# Altium PCB PROC054D_MMWCAS_RF_EVM_ASCII.PcbDoc (part 1 of 13) (continued)
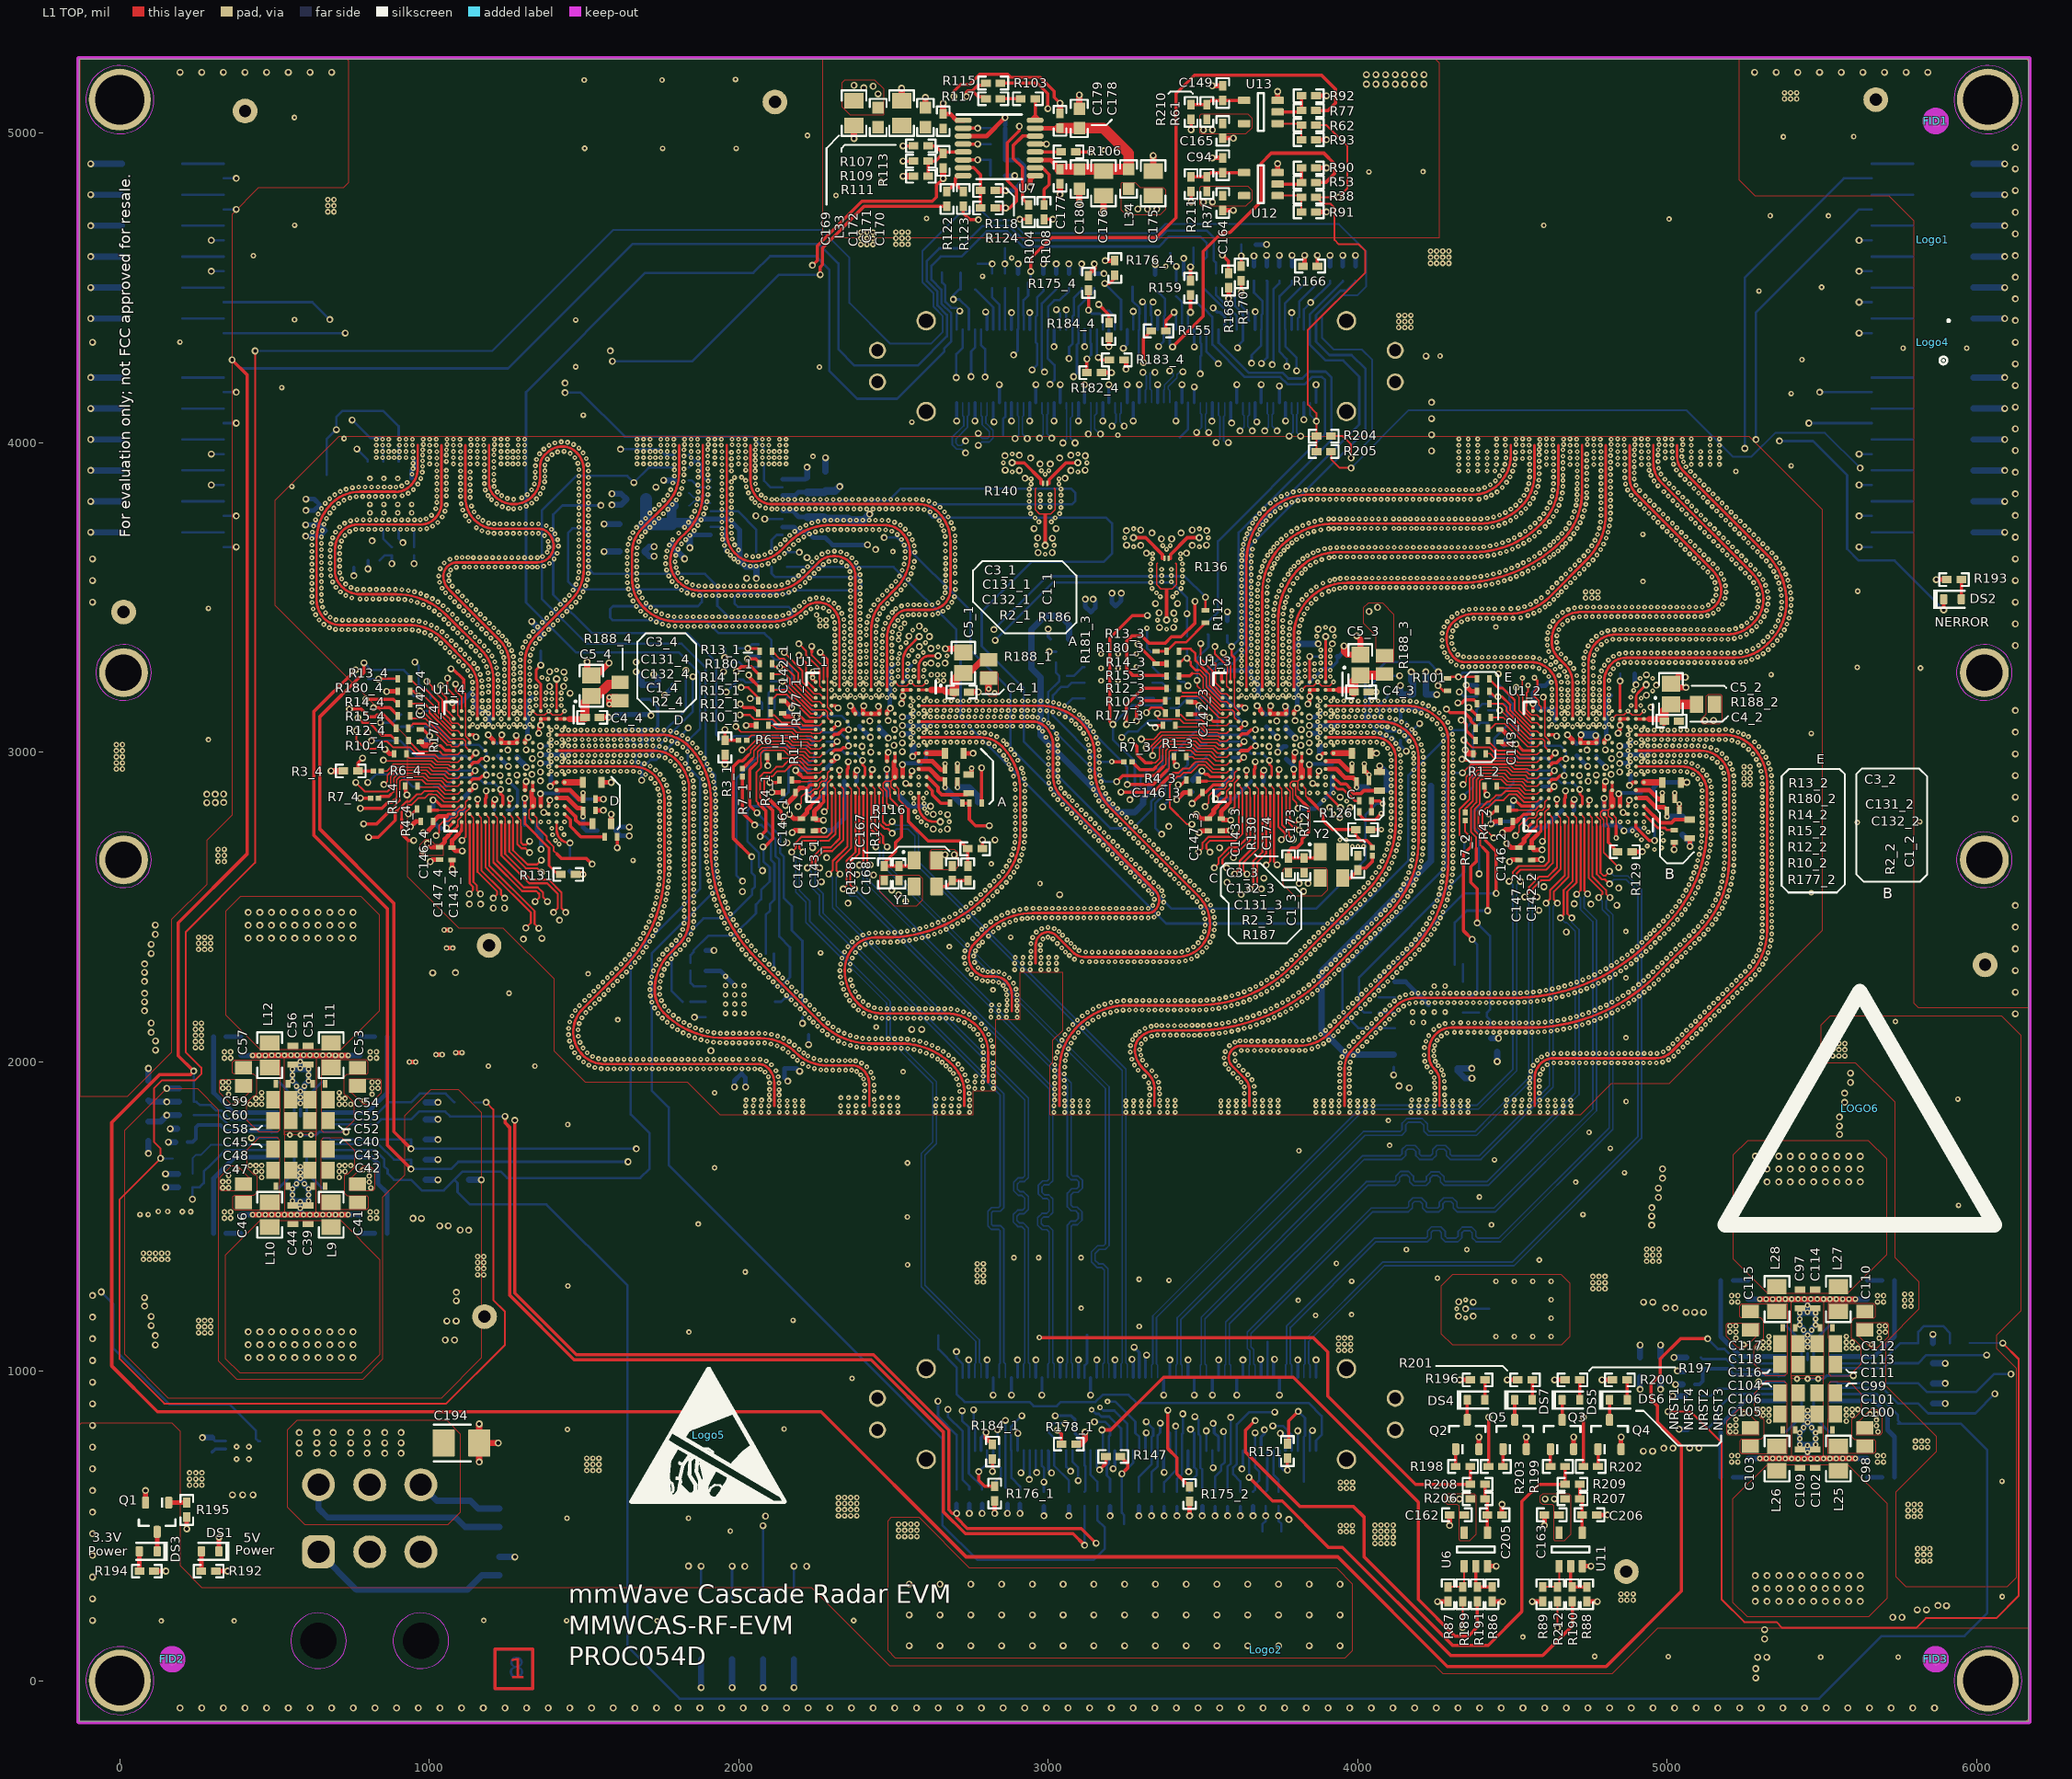
[diagram p0: L1 TOP view]
## Design rules (kind name [scope] priority, off if disabled: settings) (continued)
RoomDefinition Room1 [InComponentClass('12XX_4')] p1: confinementstyle=ConfineIn formatcopy=TRUE lockcomponents=FALSE outline 2033.68,3387.07 2640.06,3387.07 2640.06,2735.55 2033.68,2735.55
RoomDefinition Room4 [InComponentClass('Designator')] p2: confinementstyle=ConfineIn formatcopy=TRUE lockcomponents=FALSE outline 852.08,3249.2 1434.07,3249.2 1496.84,3185.76 1496.84,2685.62 852.08,2685.62
RoomDefinition A9 [All] p3: confinementstyle=ConfineOut formatcopy=TRUE lockcomponents=FALSE outline 4145.74,1260.01 4410.11,1260.01 4410.11,1146.81 4145.74,1146.81
RoomDefinition A8 [All] p4: confinementstyle=ConfineOut formatcopy=TRUE lockcomponents=FALSE outline 2598.57,2846.96 2753.75,2846.96 2753.75,2714.54 2598.57,2714.54
RoomDefinition A7 [All] p5: confinementstyle=ConfineOut formatcopy=TRUE lockcomponents=FALSE outline 3895.25,2868.57 4029.93,2868.57 4029.93,2722.5 3895.25,2722.5
RoomDefinition A6 [All] p6: confinementstyle=ConfineOut formatcopy=TRUE lockcomponents=FALSE outline 4876.32,3337.04 5017.79,3337.04 5017.79,3164.57 4876.32,3164.57
RoomDefinition A5 [All] p7: confinementstyle=ConfineOut formatcopy=TRUE lockcomponents=FALSE outline 3835.39,3542.94 3936.51,3542.94 3936.51,3330.51 3835.39,3330.51
RoomDefinition A4 [InComponentClass('Components Class 2')] p8: confinementstyle=ConfineIn formatcopy=TRUE lockcomponents=FALSE outline 3175.56,3808.47 3477.72,3808.47 3591.98,3694.2 3591.98,3647.65 3434.55,3490.22 3434.55,3331.1 3393.93,3290.48 3368.53,3290.48 3338.06,3320.95 3338.06,3457.22 3160.32,3634.96 3160.32,3793.76 3175.58,3809.02
RoomDefinition A3 [InComponentClass('Components Class 1')] p9: confinementstyle=ConfineIn formatcopy=TRUE lockcomponents=FALSE outline 2770.93,3947.31 2798.41,3974.79 3136.7,3974.79 3149.17,3962.32 3149.17,3890.53 3050.37,3791.74 3050.37,3616.18 2992.8,3558.61 2941.62,3558.61 2933.1,3567.14 2933.1,3720.66 2770.71,3883.04 2770.71,3945.66
RoomDefinition A2 [All] p10: confinementstyle=ConfineOut formatcopy=TRUE lockcomponents=FALSE outline 2542.67,3455.84 2644.92,3455.84 2747.67,3353.09 2747.67,3279.13 2680.16,3211.63 2599.75,3211.63 2496.01,3315.37 2496.01,3409.93 2542.15,3456.07
RoomDefinition A1 [All] p11: confinementstyle=ConfineOut formatcopy=TRUE lockcomponents=FALSE outline 1337.09,3340.68 1479.92,3340.68 1479.92,3170.39 1337.09,3170.39
RoomDefinition GND_Rule4 [All] p12: confinementstyle=ConfineOut formatcopy=TRUE lockcomponents=FALSE outline 4866.7,2842.12 4932.23,2842.12 4932.23,2750.95 4866.7,2750.95
RoomDefinition GND_Rule3 [All] p13: confinementstyle=ConfineOut formatcopy=TRUE lockcomponents=FALSE outline 3863.74,2936.22 3929.27,2936.22 3929.27,2845.04 3863.74,2845.04
RoomDefinition GND_Rule1 [All] p14: confinementstyle=ConfineOut formatcopy=TRUE lockcomponents=FALSE outline 1378.19,2850.59 1443.72,2850.59 1443.72,2759.41 1378.19,2759.41
RoomDefinition GND_Rule2 [All] p15: confinementstyle=ConfineOut formatcopy=TRUE lockcomponents=FALSE outline 2551.17,2940.69 2616.7,2940.69 2616.7,2849.52 2551.17,2849.52
RoomDefinition Room6 [InComponentClass('Components Class 2')] p16: confinementstyle=ConfineIn formatcopy=TRUE lockcomponents=FALSE outline 3223.97,3753.59 3539.32,3753.59 3539.32,3383.84 3223.97,3383.84
RoomDefinition Room5 [InComponentClass('Components Class 1')] p17: confinementstyle=ConfineIn formatcopy=TRUE lockcomponents=FALSE outline 2834.35,3978.35 3143.28,3978.35 3143.28,3621.24 2834.35,3621.24
RoomDefinition Room2 [InComponentClass('Designator')] p18: confinementstyle=ConfineIn formatcopy=TRUE lockcomponents=FALSE outline 4337.7,3208.98 4954.79,3208.98 4954.79,2675.33 4337.7,2675.33
RoomDefinition Room3 [InComponentClass('40MHZ_CLOCK')] p19: confinementstyle=ConfineIn formatcopy=TRUE lockcomponents=FALSE outline 3321.42,3391.65 3927.1,3391.65 3927.1,2786.33 3321.42,2786.33
RoutingCorners [All] p0: scope1count=1 scope1_0_kind=Board scope1_0_value=Board scope2count=1 scope2_0_kind=Board scope2_0_value=Board commentlength=0 cornerstyle=45-Degree minsetback=100 maxsetback=100
RoutingLayers [All] p0: scope1count=1 scope1_0_kind=Board scope1_0_value=Board scope2count=1 scope2_0_kind=Board scope2_0_value=Board commentlength=0 top layer=Automatic mid layer 1=Automatic mid layer 2=Automatic mid layer 3=Automatic mid layer 4=Automatic mid layer 5=Automatic mid layer 6=Automatic bottom layer=Automatic
RoutingPriority [All] p0: scope1count=1 scope1_0_kind=Board scope1_0_value=Board scope2count=1 scope2_0_kind=Board scope2_0_value=Board commentlength=0
RoutingTopology [All] p0: scope1count=1 scope1_0_kind=Board scope1_0_value=Board scope2count=1 scope2_0_kind=Board scope2_0_value=Board commentlength=0 topology=Shortest
RoutingVias [All] p0: scope1count=1 scope1_0_kind=Board scope1_0_value=Board scope2count=1 scope2_0_kind=Board scope2_0_value=Board commentlength=0 holewidth=28 width=50 viastyle="Through Hole" minholewidth=5.8 minwidth=15 maxholewidth=28 maxwidth=50
RoutingVias [All] p1: holewidth=28 width=50 viastyle="Through Hole" minholewidth=5.8 minwidth=15 maxholewidth=28 maxwidth=50
ShortCircuit [All] p0: scope1count=1 scope1_0_kind=Board scope1_0_value=Board scope2count=1 scope2_0_kind=Board scope2_0_value=Board commentlength=0 allowed=FALSE
SilkToBoardRegionClearance [All] p0 off: scope1count=1 scope1_0_kind=Board scope1_0_value=Board scope2count=1 scope2_0_kind=Board scope2_0_value=Board commentlength=130 // Protel DXP Scope 1 Expression Was: Not ((IsComment or IsDesignator) And (Hide <> 'False')) and not InRegion(1000,500,4000,800)
SilkToBoardRegionClearance [Not ((IsComment or IsDesignator) And (Hide <> 'False')) and not InRegion(1000,500,4000,800)] p1:
SilkToSilkClearance [All] p0: scope1count=1 scope1_0_kind=Board scope1_0_value=Board scope2count=1 scope2_0_kind=Board scope2_0_value=Board commentlength=0
SilkToSilkClearance [All] p1: silktosilkclearance=3
SilkToSolderMaskClearance [All] p0 off: scope1count=1 scope1_0_kind=Board scope1_0_value=Board scope2count=1 scope2_0_kind=Board scope2_0_value=Board commentlength=44 // Protel DXP Scope 1 Expression Was: IsPad
SilkToSolderMaskClearance [IsPad] p1: minsilkscreentomaskgap=3 clearancetoexposedcopper=TRUE
SolderMaskExpansion [All] p0: scope1count=1 scope1_0_kind=Board scope1_0_value=Board scope2count=1 scope2_0_kind=Board scope2_0_value=Board commentlength=0 expansion=0
SolderMaskExpansion [All] p1: expansion=0
UnRoutedNet [All] p0: scope1count=1 scope1_0_kind=Board scope1_0_value=Board scope2count=1 scope2_0_kind=Board scope2_0_value=Board commentlength=0
UnpouredPolygon [All] p0: scope1count=1 scope1_0_kind=Board scope1_0_value=Board scope2count=1 scope2_0_kind=Board scope2_0_value=Board commentlength=0
Width [All] p0: scope1count=1 scope1_0_kind=Board scope1_0_value=Board scope2count=1 scope2_0_kind=Board scope2_0_value=Board commentlength=0 maxlimit=50 minlimit=4 preferedwidth=10
Width [All] p1: maxlimit=50 minlimit=4 preferedwidth=10
23 further rules are at their usual default settings.

## Classes and differential pairs
channel class PROC054D_AWR_Pull_Resistors: AWR_1 AWR_2 AWR_3 AWR_4
channel class PROC054D_AWR_Power_Decoupling: AWR_1 AWR_2 AWR_3 AWR_4
channel class PROC054D_AWR_Interfaces: AWR_1 AWR_2 AWR_3 AWR_4
net class PMIC_CLKOUT: AWR_1_PMIC_CLKOUT AWR_2_PMIC_CLKOUT AWR_3_PMIC_CLKOUT AWR_4_PMIC_CLKOUT
net class "GND SENSE": AWR_1_OSC_CLKOUT AWR_1_OSC_CLKOUT_CONN AWR_2_OSC_CLKOUT AWR_3_OSC_CLKOUT AWR_3_OSC_CLKOUT_CONN AWR_4_OSC_CLKOUT BUF_CLKOUT2_RS BUF_CLKOUT3 BUF_CLKOUT3_RS BUF_CLKOUT4_RS EXT_40M_BUF_AWR_1_RS
net class FMCW: AWR_1_FMCW_CLKOUT AWR_1_FMCW_SYNCOUT AWR_3_FMCW_CLKOUT
net class 20GHz: AWR_2_FMCW_CLKOUT AWR_2_FMCW_SYNCOUT AWR_3_FMCW_CLKOUT AWR_3_FMCW_SYNCOUT AWR_4_FMCW_CLKOUT AWR_4_FMCW_SYNCOUT
net class TX: AWR_TX1_1 AWR_TX1_2 AWR_TX1_3 AWR_TX1_4 AWR_TX2_1 AWR_TX2_2 AWR_TX2_3 AWR_TX2_4 AWR_TX3_1 AWR_TX3_2 AWR_TX3_3 AWR_TX3_4
net class RX: AWR_RX1_1 AWR_RX1_2 AWR_RX1_3 AWR_RX1_4 AWR_RX2_1 AWR_RX2_2 AWR_RX2_3 AWR_RX2_4 AWR_RX3_1 AWR_RX3_2 AWR_RX3_3 AWR_RX3_4 AWR_RX4_1 AWR_RX4_2 AWR_RX4_3 AWR_RX4_4
net class Non-imp: AWR_1_1V0_RF1_FILT AWR_1_1V0_RF2_FILT AWR_1_1V2_FILT AWR_1_1V8_FILT AWR_1_SCL AWR_1_SDA AWR_1V4_APLL_1 AWR_1V4_APLL_2 AWR_1V4_APLL_3 AWR_1V4_APLL_4 AWR_2_1V0_RF1_FILT AWR_2_1V0_RF2_FILT AWR_2_1V2_FILT AWR_2_1V8_FILT AWR_2_SCL AWR_2_SDA AWR_3_1V0_RF1_FILT AWR_3_1V0_RF2_FILT AWR_3_1V2_FILT AWR_3_1V8_FILT AWR_3_SCL AWR_3_SDA AWR_4_1V0_RF1_FILT AWR_4_1V0_RF2_FILT AWR_4_1V2_FILT AWR_4_1V8_FILT AWR_4_SCL AWR_4_SDA AWR_VBGAP_1 AWR_VBGAP_2 AWR_VBGAP_3 AWR_VBGAP_4 AWR_VOUT_PA_1 AWR_VOUT_PA_2 AWR_VOUT_PA_3 AWR_VOUT_PA_4 GND LMK1_1V8 LMK1_3V3 LMK2_3V3 NetC9_1 NetC37_2 NetC38_2 NetC49_2 NetC50_2 NetC95_2 NetC96_2 NetC107_2 NetC108_2 NetDS3_2 PMIC1_3V3 PMIC1_AWR_1_1V0 PMIC1_AWR_4_1V0 PMIC1_AWR_14_1V2 PMIC1_AWR_14_1V8 PMIC1_FB_B0 PMIC1_FB_B1 PMIC1_FB_B2 PMIC1_FB_B3 PMIC1_INTN PMIC1_PGOOD PMIC1_PGOOD_RS PMIC1_SW_B0 PMIC1_SW_B1 PMIC1_SW_B2 PMIC1_SW_B3 PMIC1_VANA PMIC1_VIN_B0 PMIC1_VIN_B1 PMIC1_VIN_B2 PMIC1_VIN_B3 PMIC2_3V3 PMIC2_AWR_2_1V0 PMIC2_AWR_3_1V0 PMIC2_AWR_23_1V2 PMIC2_AWR_23_1V8 PMIC2_FB_B0 PMIC2_FB_B1 PMIC2_FB_B2 PMIC2_FB_B3 PMIC2_INTN PMIC2_PGOOD PMIC2_PGOOD_RS PMIC2_SW_B0 PMIC2_SW_B1 PMIC2_SW_B2 PMIC2_SW_B3 PMIC2_VANA PMIC2_VIN_B0 PMIC2_VIN_B1 PMIC2_VIN_B2 PMIC2_VIN_B3 QSPI_FLASH_3V3_1 QSPI_FLASH_3V3_2 QSPI_FLASH_3V3_3 QSPI_FLASH_3V3_4 SDA_RS_1 SDA_RS_2 SDA_RS_3 SDA_RS_4 SYSTEM_1V8 SYSTEM_3V3 SYSTEM_3V3_LED SYSTEM_3V3_LED_PW SYSTEM_5V0 SYSTEM_5V0_LED SYSTEM_PGOOD SYSTEM_PGOOD2_GS TMP1_3V3 TMP2_3V3
net class Impedance: 40M_BUF_IN_PRIMAWRY 40M_BUF_IN_SECONDAWRY AWR_1_BSS_LOGGER AWR_1_CSI2_CLK_N AWR_1_CSI2_CLK_P AWR_1_CSI2_TX0_N AWR_1_CSI2_TX0_P AWR_1_CSI2_TX1_N AWR_1_CSI2_TX1_P AWR_1_CSI2_TX2_N AWR_1_CSI2_TX2_P AWR_1_CSI2_TX3_N AWR_1_CSI2_TX3_P AWR_1_DIG_SYNCIN AWR_1_DIG_SYNCIN_RS AWR_1_DIG_SYNCOUT AWR_1_FMCW_CLKOUT AWR_1_FMCW_SYNCOUT AWR_1_GPIO_0 AWR_1_GPIO_1 AWR_1_GPIO_2 AWR_1_LVDS_FRCLK_N AWR_1_LVDS_FRCLK_P AWR_1_LVDS_VALID_N AWR_1_LVDS_VALID_P AWR_1_MCU_CLKOUT AWR_1_MCU_CLKOUT_CONN AWR_1_MSS_LOGGER AWR_1_NERROR_IN AWR_1_NERROR_OUT AWR_1_NRST AWR_1_NRST_HOST AWR_1_NRST_HOST_GS AWR_1_NRST_LED AWR_1_NRST_LED_PW AWR_1_NRST_RS AWR_1_OSC_CLKOUT AWR_1_OSC_CLKOUT_CONN AWR_1_PMIC_CLKOUT AWR_1_SOP0_TDO AWR_1_SOP1_SYNCOUT AWR_1_SOP2_PMICCLKOUT AWR_1_SPI_CLK1 AWR_1_SPI_CS1 AWR_1_SPI_HOST_INTR1 AWR_1_SPI_MISO1 AWR_1_SPI_MOSI1 AWR_1_TCK AWR_1_TDI AWR_1_TDO AWR_1_TMS AWR_1_UART_RX AWR_1_UART_TX AWR_1_WARM_RST AWR_1_XTAL_CLKM AWR_1_XTAL_CLKP AWR_1_XTALP_RS AWR_1V4_SYNTH_1 AWR_1V4_SYNTH_2 AWR_1V4_SYNTH_3 AWR_1V4_SYNTH_4 AWR_2_BSS_LOGGER AWR_2_CSI2_CLK_N AWR_2_CSI2_CLK_P AWR_2_CSI2_TX0_N AWR_2_CSI2_TX0_P AWR_2_CSI2_TX1_N AWR_2_CSI2_TX1_P AWR_2_CSI2_TX2_N AWR_2_CSI2_TX2_P AWR_2_CSI2_TX3_N AWR_2_CSI2_TX3_P AWR_2_DIG_SYNCIN AWR_2_DIG_SYNCIN_RS AWR_2_DIG_SYNCOUT AWR_2_FMCW_CLKOUT AWR_2_FMCW_SYNCOUT AWR_2_GPIO_0 AWR_2_GPIO_1 AWR_2_GPIO_2 AWR_2_LVDS_FRCLK_N AWR_2_LVDS_FRCLK_P AWR_2_LVDS_VALID_N AWR_2_LVDS_VALID_P AWR_2_MCU_CLKOUT AWR_2_MSS_LOGGER AWR_2_NERROR_IN AWR_2_NERROR_OUT AWR_2_NRST AWR_2_NRST_HOST AWR_2_NRST_HOST_GS AWR_2_NRST_LED AWR_2_NRST_LED_PW AWR_2_NRST_RS AWR_2_OSC_CLKOUT AWR_2_PMIC_CLKOUT AWR_2_SOP0_TDO AWR_2_SOP1_SYNCOUT AWR_2_SOP2_PMICCLKOUT AWR_2_SPI_CLK1 AWR_2_SPI_CS1 AWR_2_SPI_HOST_INTR1 AWR_2_SPI_MISO1 AWR_2_SPI_MOSI1 AWR_2_TCK AWR_2_TDI AWR_2_TDO AWR_2_TMS AWR_2_UART_RX AWR_2_UART_TX AWR_2_WARM_RST AWR_2_XTAL_CLKM AWR_2_XTAL_CLKP AWR_3_BSS_LOGGER AWR_3_CSI2_CLK_N AWR_3_CSI2_CLK_P AWR_3_CSI2_TX0_N AWR_3_CSI2_TX0_P AWR_3_CSI2_TX1_N AWR_3_CSI2_TX1_P AWR_3_CSI2_TX2_N AWR_3_CSI2_TX2_P AWR_3_CSI2_TX3_N AWR_3_CSI2_TX3_P AWR_3_DIG_SYNCIN AWR_3_DIG_SYNCIN_RS AWR_3_DIG_SYNCOUT AWR_3_FMCW_CLKOUT AWR_3_FMCW_SYNCOUT AWR_3_GPIO_0 AWR_3_GPIO_1 AWR_3_GPIO_2 AWR_3_LVDS_FRCLK_N AWR_3_LVDS_FRCLK_P AWR_3_LVDS_VALID_N AWR_3_LVDS_VALID_P AWR_3_MCU_CLKOUT AWR_3_MSS_LOGGER AWR_3_NERROR_IN AWR_3_NERROR_OUT AWR_3_NRST AWR_3_NRST_HOST AWR_3_NRST_HOST_GS AWR_3_NRST_LED AWR_3_NRST_LED_PW AWR_3_NRST_RS AWR_3_OSC_CLKOUT AWR_3_OSC_CLKOUT_CONN AWR_3_PMIC_CLKOUT AWR_3_SOP0_TDO AWR_3_SOP1_SYNCOUT AWR_3_SOP2_PMICCLKOUT AWR_3_SPI_CLK1 AWR_3_SPI_CS1 AWR_3_SPI_HOST_INTR1 AWR_3_SPI_MISO1 AWR_3_SPI_MOSI1 AWR_3_TCK AWR_3_TDI AWR_3_TDO AWR_3_TMS AWR_3_UART_RX AWR_3_UART_TX AWR_3_WARM_RST AWR_3_XTAL_CLKM AWR_3_XTAL_CLKP AWR_3_XTALP_RS AWR_4_BSS_LOGGER AWR_4_CSI2_CLK_N AWR_4_CSI2_CLK_P AWR_4_CSI2_TX0_N AWR_4_CSI2_TX0_P AWR_4_CSI2_TX1_N AWR_4_CSI2_TX1_P AWR_4_CSI2_TX2_N AWR_4_CSI2_TX2_P AWR_4_CSI2_TX3_N AWR_4_CSI2_TX3_P AWR_4_DIG_SYNCIN AWR_4_DIG_SYNCIN_RS AWR_4_DIG_SYNCOUT AWR_4_FMCW_CLKOUT AWR_4_FMCW_SYNCOUT AWR_4_GPIO_0 AWR_4_GPIO_1 AWR_4_GPIO_2 AWR_4_LVDS_FRCLK_N AWR_4_LVDS_FRCLK_P AWR_4_LVDS_VALID_N AWR_4_LVDS_VALID_P AWR_4_MCU_CLKOUT AWR_4_MSS_LOGGER AWR_4_NERROR_IN AWR_4_NERROR_OUT AWR_4_NRST AWR_4_NRST_HOST AWR_4_NRST_HOST_GS AWR_4_NRST_LED AWR_4_NRST_LED_PW AWR_4_NRST_RS AWR_4_OSC_CLKOUT AWR_4_PMIC_CLKOUT AWR_4_SOP0_TDO AWR_4_SOP1_SYNCOUT AWR_4_SOP2_PMICCLKOUT AWR_4_SPI_CLK1 AWR_4_SPI_CS1 AWR_4_SPI_HOST_INTR1 AWR_4_SPI_MISO1 AWR_4_SPI_MOSI1 AWR_4_TCK AWR_4_TDI AWR_4_TDO AWR_4_TMS AWR_4_UART_RX AWR_4_UART_TX AWR_4_WARM_RST AWR_4_XTAL_CLKM AWR_4_XTAL_CLKP AWR_CONN_TP1 AWR_CONN_TP2 AWR_CONN_TP3 AWR_CONN_TP4 AWR_RX1_1 AWR_RX1_2 AWR_RX1_3 AWR_RX1_4 AWR_RX2_1 AWR_RX2_2 AWR_RX2_3 AWR_RX2_4 AWR_RX3_1 AWR_RX3_2 AWR_RX3_3 AWR_RX3_4 AWR_RX4_1 AWR_RX4_2 AWR_RX4_3 AWR_RX4_4 AWR_TX1_1 AWR_TX1_2 AWR_TX1_3 AWR_TX1_4 AWR_TX2_1 AWR_TX2_2 AWR_TX2_3 AWR_TX2_4 AWR_TX3_1 AWR_TX3_2 AWR_TX3_3 AWR_TX3_4 BSS_LOGGER_RS_1 BSS_LOGGER_RS_2 BSS_LOGGER_RS_3 BSS_LOGGER_RS_4 BUF_CLKOUT1 BUF_CLKOUT1_RS BUF_CLKOUT2_RS BUF_CLKOUT3 BUF_CLKOUT3_RS BUF_CLKOUT4_RS CONN_MONITOR_1 CONN_MONITOR_2 DIG_SYNC_SOURCE DIG_SYNCOUT_RS_1 DIG_SYNCOUT_RS_2 DIG_SYNCOUT_RS_3 DIG_SYNCOUT_RS_4 EXT_40M_BUF_AWR_1_RS EXT_40MHZ_CLK_1V8 EXT_DIG_SYNC GPADC1_1 GPADC1_2 GPADC1_3 GPADC1_4 GPADC1_CONN_1 GPADC1_CONN_2 GPADC1_CONN_3 GPADC1_CONN_4 GPADC2_1 GPADC2_2 GPADC2_3 GPADC2_4 GPADC2_CONN_1 GPADC2_CONN_2 GPADC2_CONN_3 GPADC2_CONN_4 GPADC3_1 GPADC3_2 GPADC3_3 GPADC3_4 GPADC3_CONN_1 GPADC3_CONN_2 GPADC3_CONN_3 GPADC3_CONN_4 GPADC4_1 GPADC4_2 GPADC4_3 GPADC4_4 GPADC4_CONN_1 GPADC4_CONN_2 GPADC4_CONN_3 GPADC4_CONN_4 GPADC5_1 GPADC5_2 GPADC5_3 GPADC5_4 GPADC5_CONN_1 GPADC5_CONN_2 GPADC5_CONN_3 GPADC5_CONN_4 GPADC6_1 GPADC6_2 GPADC6_3 GPADC6_4 GPADC6_CONN_1 GPADC6_CONN_2 GPADC6_CONN_3 GPADC6_CONN_4 LMK1_CLK_EN LMK1_CLK_SEL LMK1_nCLK LMK1_OE LMK2_CLK_EN LMK2_CLK_EN_N LMK2_CLK_EN_P LMK2_CLK_SEL LMK2_OE MCU_CLKOUT_RS_1 MCU_CLKOUT_RS_2 MCU_CLKOUT_RS_3 MCU_CLKOUT_RS_4 MSS_LOGGER_RS_1 MSS_LOGGER_RS_2 MSS_LOGGER_RS_3 MSS_LOGGER_RS_4 NERROR_OUT NERROR_OUT_LED NERROR_OUT_RS_1 NERROR_OUT_RS_2 NERROR_OUT_RS_3 NERROR_OUT_RS_4 NetDS4_2 NetDS5_2 NetDS6_2 NetDS7_2 OSC_CLKOUT_RS_1 OSC_CLKOUT_RS_2 OSC_CLKOUT_RS_3 OSC_CLKOUT_RS_4 PMIC1_GPIO2 PMIC1_GPIO3 PMIC1_SCL PMIC1_SDA PMIC2_GPIO2 PMIC2_GPIO3 PMIC2_TMPSNS_SCL PMIC2_TMPSNS_SDA PMIC_BUCK_EN PMIC_BUCKEN_CONN PMIC_CLKOUT_RS_1 PMIC_CLKOUT_RS_2 PMIC_CLKOUT_RS_3 PMIC_CLKOUT_RS_4 PMIC_NRST PMIC_NRST_CONN QSPI_CLK_1 QSPI_CLK_2 QSPI_CLK_3 QSPI_CLK_4 QSPI_CLK_RS_1 QSPI_CLK_RS_2 QSPI_CLK_RS_3 QSPI_CLK_RS_4 QSPI_CS_1 QSPI_CS_2 QSPI_CS_3 QSPI_CS_4 QSPI_CS_RS_1 QSPI_CS_RS_2 QSPI_CS_RS_3 QSPI_CS_RS_4 QSPI_D0_1 QSPI_D0_2 QSPI_D0_3 QSPI_D0_4 QSPI_D0_RS_1 QSPI_D0_RS_2 QSPI_D0_RS_3 QSPI_D0_RS_4 QSPI_D1_1 QSPI_D1_2 QSPI_D1_3 QSPI_D1_4 QSPI_D1_RS_1 QSPI_D1_RS_2 QSPI_D1_RS_3 QSPI_D1_RS_4 QSPI_D2_1 QSPI_D2_2 QSPI_D2_3 QSPI_D2_4 QSPI_D2_RS_1 QSPI_D2_RS_2 QSPI_D2_RS_3 QSPI_D2_RS_4 QSPI_D3_1 QSPI_D3_2 QSPI_D3_3 QSPI_D3_4 QSPI_D3_RS_1 QSPI_D3_RS_2 QSPI_D3_RS_3 QSPI_D3_RS_4 SPI_HOST_INTR1_RS_1 SPI_HOST_INTR1_RS_2 SPI_HOST_INTR1_RS_3 SPI_HOST_INTR1_RS_4 SPI_MISO1_RS_1 SPI_MISO1_RS_2 SPI_MISO1_RS_3 SPI_MISO1_RS_4 TDO_RS_1 TDO_RS_2 TDO_RS_3 TDO_RS_4 TMP1_ADD0 TMP2_ADD0 TMP_ALERT TMPSNS_ALERT TMPSNS_SCL TMPSNS_SDA UART_TX_RS_1 UART_TX_RS_2 UART_TX_RS_3 UART_TX_RS_4
net class SYSTEM_5V: SYSTEM_5V0
net class SYSTEM_5V_INPUT: PMIC1_VANA PMIC1_VIN_B0 PMIC1_VIN_B1 PMIC1_VIN_B2 PMIC1_VIN_B3 PMIC2_VANA PMIC2_VIN_B0 PMIC2_VIN_B1 PMIC2_VIN_B2 PMIC2_VIN_B3
net class SYSTEM_3V3: LMK1_3V3 LMK2_3V3 QSPI_FLASH_3V3_1 QSPI_FLASH_3V3_2 QSPI_FLASH_3V3_3 QSPI_FLASH_3V3_4 SYSTEM_3V3 TMP1_3V3 TMP2_3V3
net class SYSTEM_1V8: LMK1_1V8 SYSTEM_1V8
net class PMIC_OUTPUT: PMIC1_FB_B0 PMIC1_FB_B1 PMIC1_FB_B2 PMIC1_FB_B3 PMIC1_SW_B0 PMIC1_SW_B1 PMIC1_SW_B2 PMIC1_SW_B3 PMIC2_FB_B0 PMIC2_FB_B1 PMIC2_FB_B2 PMIC2_FB_B3 PMIC2_SW_B0 PMIC2_SW_B1 PMIC2_SW_B2 PMIC2_SW_B3
net class PMIC_CONTROL: AWR_1_PMIC_CLKOUT AWR_3_PMIC_CLKOUT PMIC1_GPIO2 PMIC1_GPIO3 PMIC1_INTN PMIC1_PGOOD_RS PMIC1_SCL PMIC1_SDA PMIC2_GPIO2 PMIC2_GPIO3 PMIC2_INTN PMIC2_PGOOD_RS PMIC2_TMPSNS_SCL PMIC2_TMPSNS_SDA PMIC_BUCK_EN PMIC_NRST
net class AWR_QSPI: QSPI_CLK_1 QSPI_CLK_2 QSPI_CLK_3 QSPI_CLK_4 QSPI_CLK_RS_1 QSPI_CLK_RS_2 QSPI_CLK_RS_3 QSPI_CLK_RS_4 QSPI_CS_1 QSPI_CS_2 QSPI_CS_3 QSPI_CS_4 QSPI_CS_RS_1 QSPI_CS_RS_2 QSPI_CS_RS_3 QSPI_CS_RS_4 QSPI_D0_1 QSPI_D0_2 QSPI_D0_3 QSPI_D0_4 QSPI_D1_1 QSPI_D1_2 QSPI_D1_3 QSPI_D1_4 QSPI_D2_1 QSPI_D2_2 QSPI_D2_3 QSPI_D2_4 QSPI_D3_1 QSPI_D3_2 QSPI_D3_3 QSPI_D3_4
net class AWR_POWER_ANA: AWR_1V4_APLL_1 AWR_1V4_APLL_2 AWR_1V4_APLL_3 AWR_1V4_APLL_4 AWR_1V4_SYNTH_1 AWR_1V4_SYNTH_2 AWR_1V4_SYNTH_3 AWR_1V4_SYNTH_4 AWR_VBGAP_1 AWR_VBGAP_2 AWR_VBGAP_3 AWR_VBGAP_4 AWR_VOUT_PA_1 AWR_VOUT_PA_2 AWR_VOUT_PA_3 AWR_VOUT_PA_4
net class AWR_GENERAL: AWR_1_BSS_LOGGER AWR_1_GPIO_0 AWR_1_GPIO_1 AWR_1_GPIO_2 AWR_1_MSS_LOGGER AWR_1_NERROR_IN AWR_1_NERROR_OUT AWR_1_NRST AWR_1_SCL AWR_1_SDA AWR_1_SPI_CLK1 AWR_1_SPI_CS1 AWR_1_SPI_HOST_INTR1 AWR_1_SPI_MISO1 AWR_1_SPI_MOSI1 AWR_1_UART_RX AWR_1_UART_TX AWR_1_WARM_RST AWR_2_BSS_LOGGER AWR_2_GPIO_0 AWR_2_GPIO_1 AWR_2_GPIO_2 AWR_2_MSS_LOGGER AWR_2_NERROR_IN AWR_2_NERROR_OUT AWR_2_NRST AWR_2_SCL AWR_2_SDA AWR_2_SPI_CLK1 AWR_2_SPI_CS1 AWR_2_SPI_HOST_INTR1 AWR_2_SPI_MISO1 AWR_2_SPI_MOSI1 AWR_2_UART_RX AWR_2_UART_TX AWR_2_WARM_RST AWR_3_BSS_LOGGER AWR_3_GPIO_0 AWR_3_GPIO_1 AWR_3_GPIO_2 AWR_3_MSS_LOGGER AWR_3_NERROR_IN AWR_3_NERROR_OUT AWR_3_NRST AWR_3_SCL AWR_3_SDA AWR_3_SPI_CLK1 AWR_3_SPI_CS1 AWR_3_SPI_HOST_INTR1 AWR_3_SPI_MISO1 AWR_3_SPI_MOSI1 AWR_3_UART_RX AWR_3_UART_TX AWR_3_WARM_RST AWR_4_BSS_LOGGER AWR_4_GPIO_0 AWR_4_GPIO_1 AWR_4_GPIO_2 AWR_4_MSS_LOGGER AWR_4_NERROR_IN AWR_4_NERROR_OUT AWR_4_NRST AWR_4_SCL AWR_4_SDA AWR_4_SPI_CLK1 AWR_4_SPI_CS1 AWR_4_SPI_HOST_INTR1 AWR_4_SPI_MISO1 AWR_4_SPI_MOSI1 AWR_4_UART_RX AWR_4_UART_TX AWR_4_WARM_RST BSS_LOGGER_RS_1 BSS_LOGGER_RS_2 BSS_LOGGER_RS_3 BSS_LOGGER_RS_4 MSS_LOGGER_RS_1 MSS_LOGGER_RS_2 MSS_LOGGER_RS_3 MSS_LOGGER_RS_4 NERROR_OUT_RS_1 NERROR_OUT_RS_2 NERROR_OUT_RS_3 NERROR_OUT_RS_4 SDA_RS_1 SDA_RS_2 SDA_RS_3 SDA_RS_4 SPI_HOST_INTR1_RS_1 SPI_HOST_INTR1_RS_2 SPI_HOST_INTR1_RS_3 SPI_HOST_INTR1_RS_4 SPI_MISO1_RS_1 SPI_MISO1_RS_2 SPI_MISO1_RS_3 SPI_MISO1_RS_4 UART_TX_RS_1 UART_TX_RS_2 UART_TX_RS_3 UART_TX_RS_4
net class AWR_DEBUG: GPADC1_1 GPADC1_2 GPADC1_3 GPADC1_4 GPADC1_CONN_1 GPADC1_CONN_2 GPADC1_CONN_3 GPADC1_CONN_4 GPADC2_1 GPADC2_2 GPADC2_3 GPADC2_4 GPADC2_CONN_1 GPADC2_CONN_2 GPADC2_CONN_3 GPADC2_CONN_4 GPADC3_1 GPADC3_2 GPADC3_3 GPADC3_4 GPADC3_CONN_1 GPADC3_CONN_2 GPADC3_CONN_3 GPADC3_CONN_4 GPADC4_1 GPADC4_2 GPADC4_3 GPADC4_4 GPADC4_CONN_1 GPADC4_CONN_2 GPADC4_CONN_3 GPADC4_CONN_4 GPADC5_1 GPADC5_2 GPADC5_3 GPADC5_4 GPADC5_CONN_1 GPADC5_CONN_2 GPADC5_CONN_3 GPADC5_CONN_4 GPADC6_1 GPADC6_2 GPADC6_3 GPADC6_4 GPADC6_CONN_1 GPADC6_CONN_2 GPADC6_CONN_3 GPADC6_CONN_4
net class AWR_ANTENNA: AWR_RX1_1 AWR_RX1_2 AWR_RX1_3 AWR_RX1_4 AWR_RX2_1 AWR_RX2_2 AWR_RX2_3 AWR_RX2_4 AWR_RX3_1 AWR_RX3_2 AWR_RX3_3 AWR_RX3_4 AWR_RX4_1 AWR_RX4_2 AWR_RX4_3 AWR_RX4_4 AWR_TX1_1 AWR_TX1_2 AWR_TX1_3 AWR_TX1_4 AWR_TX2_1 AWR_TX2_2 AWR_TX2_3 AWR_TX2_4 AWR_TX3_1 AWR_TX3_2 AWR_TX3_3 AWR_TX3_4
net class AWR23_POWER_1V8: PMIC2_AWR_23_1V8
net class AWR23_POWER_1V2: PMIC2_AWR_23_1V2
net class AWR14_POWER_1V8: PMIC1_AWR_14_1V8
net class AWR14_POWER_1V2: PMIC1_AWR_14_1V2
net class AWR_4_POWER_RF: AWR_4_1V0_RF1_FILT AWR_4_1V0_RF2_FILT
net class AWR_3_POWER_RF: AWR_3_1V0_RF1_FILT AWR_3_1V0_RF2_FILT
net class AWR2_POWER_RF: PMIC2_AWR_2_1V0
net class AWR_2_POWER_1V0_RF: AWR_2_1V0_RF1_FILT AWR_2_1V0_RF2_FILT
net class AWR1_POWER_RF: PMIC1_AWR_1_1V0
net class AWR_SAFETY: NERROR_OUT TMPSNS_ALERT
net class AWR_3_CSI_LVDS: AWR_3_CSI2_CLK_N AWR_3_CSI2_CLK_P AWR_3_CSI2_TX0_N AWR_3_CSI2_TX0_P AWR_3_CSI2_TX1_N AWR_3_CSI2_TX1_P AWR_3_CSI2_TX2_N AWR_3_CSI2_TX2_P AWR_3_CSI2_TX3_N AWR_3_CSI2_TX3_P AWR_3_LVDS_FRCLK_N AWR_3_LVDS_FRCLK_P AWR_3_LVDS_VALID_N AWR_3_LVDS_VALID_P
net class AWR_3_SOP_RESET: AWR_3_NRST_HOST AWR_3_SOP0_TDO AWR_3_SOP1_SYNCOUT AWR_3_SOP2_PMICCLKOUT AWR_3_WARM_RST
net class AWR_2_JTAG: AWR_2_TCK AWR_2_TDI AWR_2_TDO AWR_2_TMS
net class AWR_3_GENERAL: AWR_3_BSS_LOGGER AWR_3_GPIO_0 AWR_3_GPIO_1 AWR_3_GPIO_2 AWR_3_MSS_LOGGER AWR_3_SPI_CLK1 AWR_3_SPI_CS1 AWR_3_SPI_HOST_INTR1 AWR_3_SPI_MISO1 AWR_3_SPI_MOSI1 AWR_3_UART_RX AWR_3_UART_TX
net class AWR_2_CSI_LVDS: AWR_2_CSI2_CLK_N AWR_2_CSI2_CLK_P AWR_2_CSI2_TX0_N AWR_2_CSI2_TX0_P AWR_2_CSI2_TX1_N AWR_2_CSI2_TX1_P AWR_2_CSI2_TX2_N AWR_2_CSI2_TX2_P AWR_2_CSI2_TX3_N AWR_2_CSI2_TX3_P AWR_2_LVDS_FRCLK_N AWR_2_LVDS_FRCLK_P AWR_2_LVDS_VALID_N AWR_2_LVDS_VALID_P
net class AWR_3_JTAG: AWR_3_TCK AWR_3_TDI AWR_3_TDO AWR_3_TMS
net class AWR_4_CSI_LVDS: AWR_4_CSI2_CLK_N AWR_4_CSI2_CLK_P AWR_4_CSI2_TX0_N AWR_4_CSI2_TX0_P AWR_4_CSI2_TX1_N AWR_4_CSI2_TX1_P AWR_4_CSI2_TX2_N AWR_4_CSI2_TX2_P AWR_4_CSI2_TX3_N AWR_4_CSI2_TX3_P AWR_4_LVDS_FRCLK_N AWR_4_LVDS_FRCLK_P AWR_4_LVDS_VALID_N AWR_4_LVDS_VALID_P
net class AWR_1_SOP_RESET: AWR_1_NRST_HOST AWR_1_SOP0_TDO AWR_1_SOP1_SYNCOUT AWR_1_SOP2_PMICCLKOUT AWR_1_WARM_RST
net class AWR_1_JTAG: AWR_1_TCK AWR_1_TDI AWR_1_TDO AWR_1_TMS
net class AWR_1_GENERAL: AWR_1_BSS_LOGGER AWR_1_GPIO_0 AWR_1_GPIO_1 AWR_1_GPIO_2 AWR_1_MSS_LOGGER AWR_1_SPI_CLK1 AWR_1_SPI_CS1 AWR_1_SPI_HOST_INTR1 AWR_1_SPI_MISO1 AWR_1_SPI_MOSI1 AWR_1_UART_RX AWR_1_UART_TX
net class AWR_1_CSI_LVDS: AWR_1_CSI2_CLK_N AWR_1_CSI2_CLK_P AWR_1_CSI2_TX0_N AWR_1_CSI2_TX0_P AWR_1_CSI2_TX1_N AWR_1_CSI2_TX1_P AWR_1_CSI2_TX2_N AWR_1_CSI2_TX2_P AWR_1_CSI2_TX3_N AWR_1_CSI2_TX3_P AWR_1_LVDS_FRCLK_N AWR_1_LVDS_FRCLK_P AWR_1_LVDS_VALID_N AWR_1_LVDS_VALID_P
component class SYSTEM_POWER: C94 C149 C162 C163 C164 C165 C205 C206 R37 R38 R53 R61 R62 R77 R86 R87 R88 R89 R90 R91 R92 R93 R189 R190 R191 R204 R205 R206 R207 R208 R209 R210 R211 R212 U6 U11 U12 U13
component class SYSTEM_LED_INDICATORS: DS1 DS2 DS3 DS4 DS5 DS6 DS7 Q1 Q2 Q3 Q4 Q5 R192 R193 R194 R195 R196 R197 R198 R199 R200 R201 R202 R203
component class SYSTEM_3V3_SUPPLY: C9 C202 C203 U5
component class HOST_CONNECTORS: C190 C191 C192 C193 C194 J4 J5 J6 R19 R20 R98 R99 R100 R101 R102 R112 R114 R125 R145 R146 R147 R148 R149 R150 R151 R152 R153 R154 R155 R156 R157 R158 R159 R160 R161 R162 R163 TP8 TP12 TP13 TP15 TP16 TP17 TP18 TP19 TP20 TP25 TP29 TP30 TP32 TP33
component class Header: J1_1 J1_2 J1_3 J1_4 J2
component class DIG_SYNC_LO_20GHZ: C181 C182 C183 C184 C185 C186 C187 C188 C189 L35 R132 R133 R134 R135 R136 R137 R138 R139 R140 R141 R142 R143 R144 U8
component class SYSTEM_TEST_CONN_TERMINATION: J2 J3 R79 R82 R83 R84 R85 R186 R187
component class 40MHZ_CLOCK: C167 C168 C169 C170 C171 C172 C173 C174 C175 C176 C177 C178 C179 C180 L33 L34 R103 R104 R105 R106 R107 R108 R109 R110 R111 R113 R115 R116 R117 R118 R119 R120 R121 R122 R123 R124 R126 R127 R128 R129 R130 R131 R213 R214 U7 Y1 Y2
component class AWR_4: C1_4 C2_4 C3_4 C4_4 C5_4 C6_4 C7_4 C8_4 J1_4 R1_4 R2_4 R3_4 R4_4 R5_4 R6_4 R7_4 R8_4 R9_4 R10_4 R11_4 R12_4 R13_4 R14_4 R15_4 R16_4 R17_4 R18_4 R21_4 R22_4 R23_4 R24_4 R25_4 R26_4 R27_4 R28_4 R29_4 R30_4 R31_4 R32_4 R33_4 R188_4 TP1_4 TP2_4 TP3_4 U1_4 U2_4
component class AWR_3: C1_3 C2_3 C3_3 C4_3 C5_3 C6_3 C7_3 C8_3 J1_3 R1_3 R2_3 R3_3 R4_3 R5_3 R6_3 R7_3 R8_3 R9_3 R10_3 R11_3 R12_3 R13_3 R14_3 R15_3 R16_3 R17_3 R18_3 R21_3 R22_3 R23_3 R24_3 R25_3 R26_3 R27_3 R28_3 R29_3 R30_3 R31_3 R32_3 R33_3 R188_3 TP1_3 TP2_3 TP3_3 U1_3 U2_3
component class AWR_2: C1_2 C2_2 C3_2 C4_2 C5_2 C6_2 C7_2 C8_2 J1_2 R1_2 R2_2 R3_2 R4_2 R5_2 R6_2 R7_2 R8_2 R9_2 R10_2 R11_2 R12_2 R13_2 R14_2 R15_2 R16_2 R17_2 R18_2 R21_2 R22_2 R23_2 R24_2 R25_2 R26_2 R27_2 R28_2 R29_2 R30_2 R31_2 R32_2 R33_2 R188_2 TP1_2 TP2_2 TP3_2 U1_2 U2_2
component class AWR_2_AWR_3_LP87524P: C95 C96 C97 C98 C99 C100 C101 C102 C103 C104 C105 C106 C107 C108 C109 C110 C111 C112 C113 C114 C115 C116 C117 C118 C119 C120 C121 C122 C123 C124 C125 C126 C127 L25 L26 L27 L28 L29 L30 L31 L32 R59 R60 R63 R64 R65 R66 R67 R68 R69 R70 R71 R72 R74 R75 R76 R78 R80 R81 R95 R97 TP21 TP22 TP23 TP24 TP26 TP27 TP28 TP31 U4
component class AWR_2_AWR_3_LC_Filtering: C70 C71 C72 C73 C74 C75 C76 C77 C79 C80 C82 C83 C84 C85 C87 C88 C90 C91 C92 C93 C153 C154 C155 C156 C157 C158 C159 C160 C166 C201 C204 C207 L17 L18 L19 L20 L21 L22 L23 L24
component class AWR_1: C1_1 C2_1 C3_1 C4_1 C5_1 C6_1 C7_1 C8_1 J1_1 R1_1 R2_1 R3_1 R4_1 R5_1 R6_1 R7_1 R8_1 R9_1 R10_1 R11_1 R12_1 R13_1 R14_1 R15_1 R16_1 R17_1 R18_1 R21_1 R22_1 R23_1 R24_1 R25_1 R26_1 R27_1 R28_1 R29_1 R30_1 R31_1 R32_1 R33_1 R188_1 TP1_1 TP2_1 TP3_1 U1_1 U2_1
component class AWR_1_AWR_4_LP87524P: C37 C38 C39 C40 C41 C42 C43 C44 C45 C46 C47 C48 C49 C50 C51 C52 C53 C54 C55 C56 C57 C58 C59 C60 C61 C62 C63 C64 C65 C66 C67 C68 C69 L9 L10 L11 L12 L13 L14 L15 L16 R34 R36 R39 R40 R41 R42 R43 R44 R45 R46 R47 R48 R49 R50 R51 R52 R54 R55 R56 R57 R58 R73 R94 R96 TP4 TP5 TP6 TP7 TP9 TP10 TP11 TP14 U3
component class AWR_1_AWR_4_LC_Filtering: C10 C11 C12 C13 C14 C15 C16 C17 C18 C19 C20 C21 C22 C23 C24 C25 C26 C27 C28 C29 C30 C31 C32 C33 C34 C35 C36 C78 C81 C86 C89 C150 C151 C152 C161 L1 L2 L3 L4 L5 L6 L7 L8 R35
component class AssemblyNote: ZZ1 ZZ2 ZZ3 ZZ4
component class FiducialMark: FID1 FID2 FID3 FID4 FID5 FID6
component class EVM_HARDWARE: FID1 FID2 FID3 FID4 FID5 FID6 Logo1 Logo2 Logo3 Logo4 Logo5 LOGO6 ZZ1 ZZ2 ZZ3 ZZ4
component class Logo: Logo2
net class AWR_1_POWER_1V0_RF: AWR_1_1V0_RF1_FILT AWR_1_1V0_RF2_FILT
net class AWR_1_POWER_1V2: AWR_1_1V2_FILT
net class AWR_1_POWER_1V8: AWR_1_1V8_FILT
net class AWR_2_POWER_1V2: AWR_2_1V2_FILT
net class AWR_3_POWER_1V2: AWR_3_1V2_FILT
net class AWR_3_POWER_1V8: AWR_2_1V8_FILT AWR_3_1V8_FILT
net class AWR3_POWER_RF: PMIC2_AWR_3_1V0
net class AWR_4_POWER_1V2: AWR_4_1V2_FILT
net class AWR_4_POWER_1V8: AWR_4_1V8_FILT
net class AWR4_POWER_RF: PMIC1_AWR_4_1V0
net class AWR_20GHZ_LO: AWR_1_FMCW_CLKOUT AWR_1_FMCW_SYNCOUT AWR_2_FMCW_CLKOUT AWR_2_FMCW_SYNCOUT AWR_3_FMCW_CLKOUT AWR_3_FMCW_SYNCOUT AWR_4_FMCW_CLKOUT AWR_4_FMCW_SYNCOUT
component class SYSTEM_TEMP_SENSORS: C195 C196 C197 C198 C199 C200 R164 R165 R166 R167 R168 R169 R170 R171 R172 R173 U9 U10
net class Antenna: AWR_1_FMCW_CLKOUT AWR_1_FMCW_SYNCOUT AWR_2_FMCW_CLKOUT AWR_2_FMCW_SYNCOUT AWR_3_FMCW_CLKOUT AWR_3_FMCW_SYNCOUT AWR_4_FMCW_CLKOUT AWR_4_FMCW_SYNCOUT AWR_RX1_1 AWR_RX1_2 AWR_RX1_3 AWR_RX1_4 AWR_RX2_1 AWR_RX2_2 AWR_RX2_3 AWR_RX2_4 AWR_RX3_1 AWR_RX3_2 AWR_RX3_3 AWR_RX3_4 AWR_RX4_1 AWR_RX4_2 AWR_RX4_3 AWR_RX4_4 AWR_TX1_1 AWR_TX1_2 AWR_TX1_3 AWR_TX1_4 AWR_TX2_1 AWR_TX2_2 AWR_TX2_3 AWR_TX2_4 AWR_TX3_1 AWR_TX3_2 AWR_TX3_3 AWR_TX3_4
net class AWR2_SOP_RESET: AWR_2_NRST_HOST AWR_2_SOP0_TDO AWR_2_SOP1_SYNCOUT AWR_2_SOP2_PMICCLKOUT AWR_2_WARM_RST
net class AWR_2_GENERAL: AWR_2_BSS_LOGGER AWR_2_GPIO_0 AWR_2_GPIO_1 AWR_2_GPIO_2 AWR_2_MSS_LOGGER AWR_2_SPI_CLK1 AWR_2_SPI_CS1 AWR_2_SPI_HOST_INTR1 AWR_2_SPI_MISO1 AWR_2_SPI_MOSI1 AWR_2_UART_RX AWR_2_UART_TX
net class AWR_4_GENERAL: AWR_4_BSS_LOGGER AWR_4_GPIO_0 AWR_4_GPIO_1 AWR_4_GPIO_2 AWR_4_MSS_LOGGER AWR_4_SPI_CLK1 AWR_4_SPI_CS1 AWR_4_SPI_HOST_INTR1 AWR_4_SPI_MISO1 AWR_4_SPI_MOSI1 AWR_4_UART_RX AWR_4_UART_TX
net class AWR_4_JTAG: AWR_4_TCK AWR_4_TDI AWR_4_TDO AWR_4_TMS
net class AWR_4_SOP_RESET: AWR_4_NRST_HOST AWR_4_SOP0_TDO AWR_4_SOP1_SYNCOUT AWR_4_SOP2_PMICCLKOUT AWR_4_WARM_RST